# Altium PCB PCB_CAR.PcbDoc (part 1 of 3)
Units mil, origin at the board's own origin, x right, y up, seen from the top; angles counter-clockwise.
Board outline 3935 x 3900 mil, 4 copper layers (Top Layer, GND, PWR, Bottom Layer), stack 23.756 mil thick; 301 components, 202 nets, 1108 pads, 579 vias.
Unrouted connection lines stored in the file: 7.
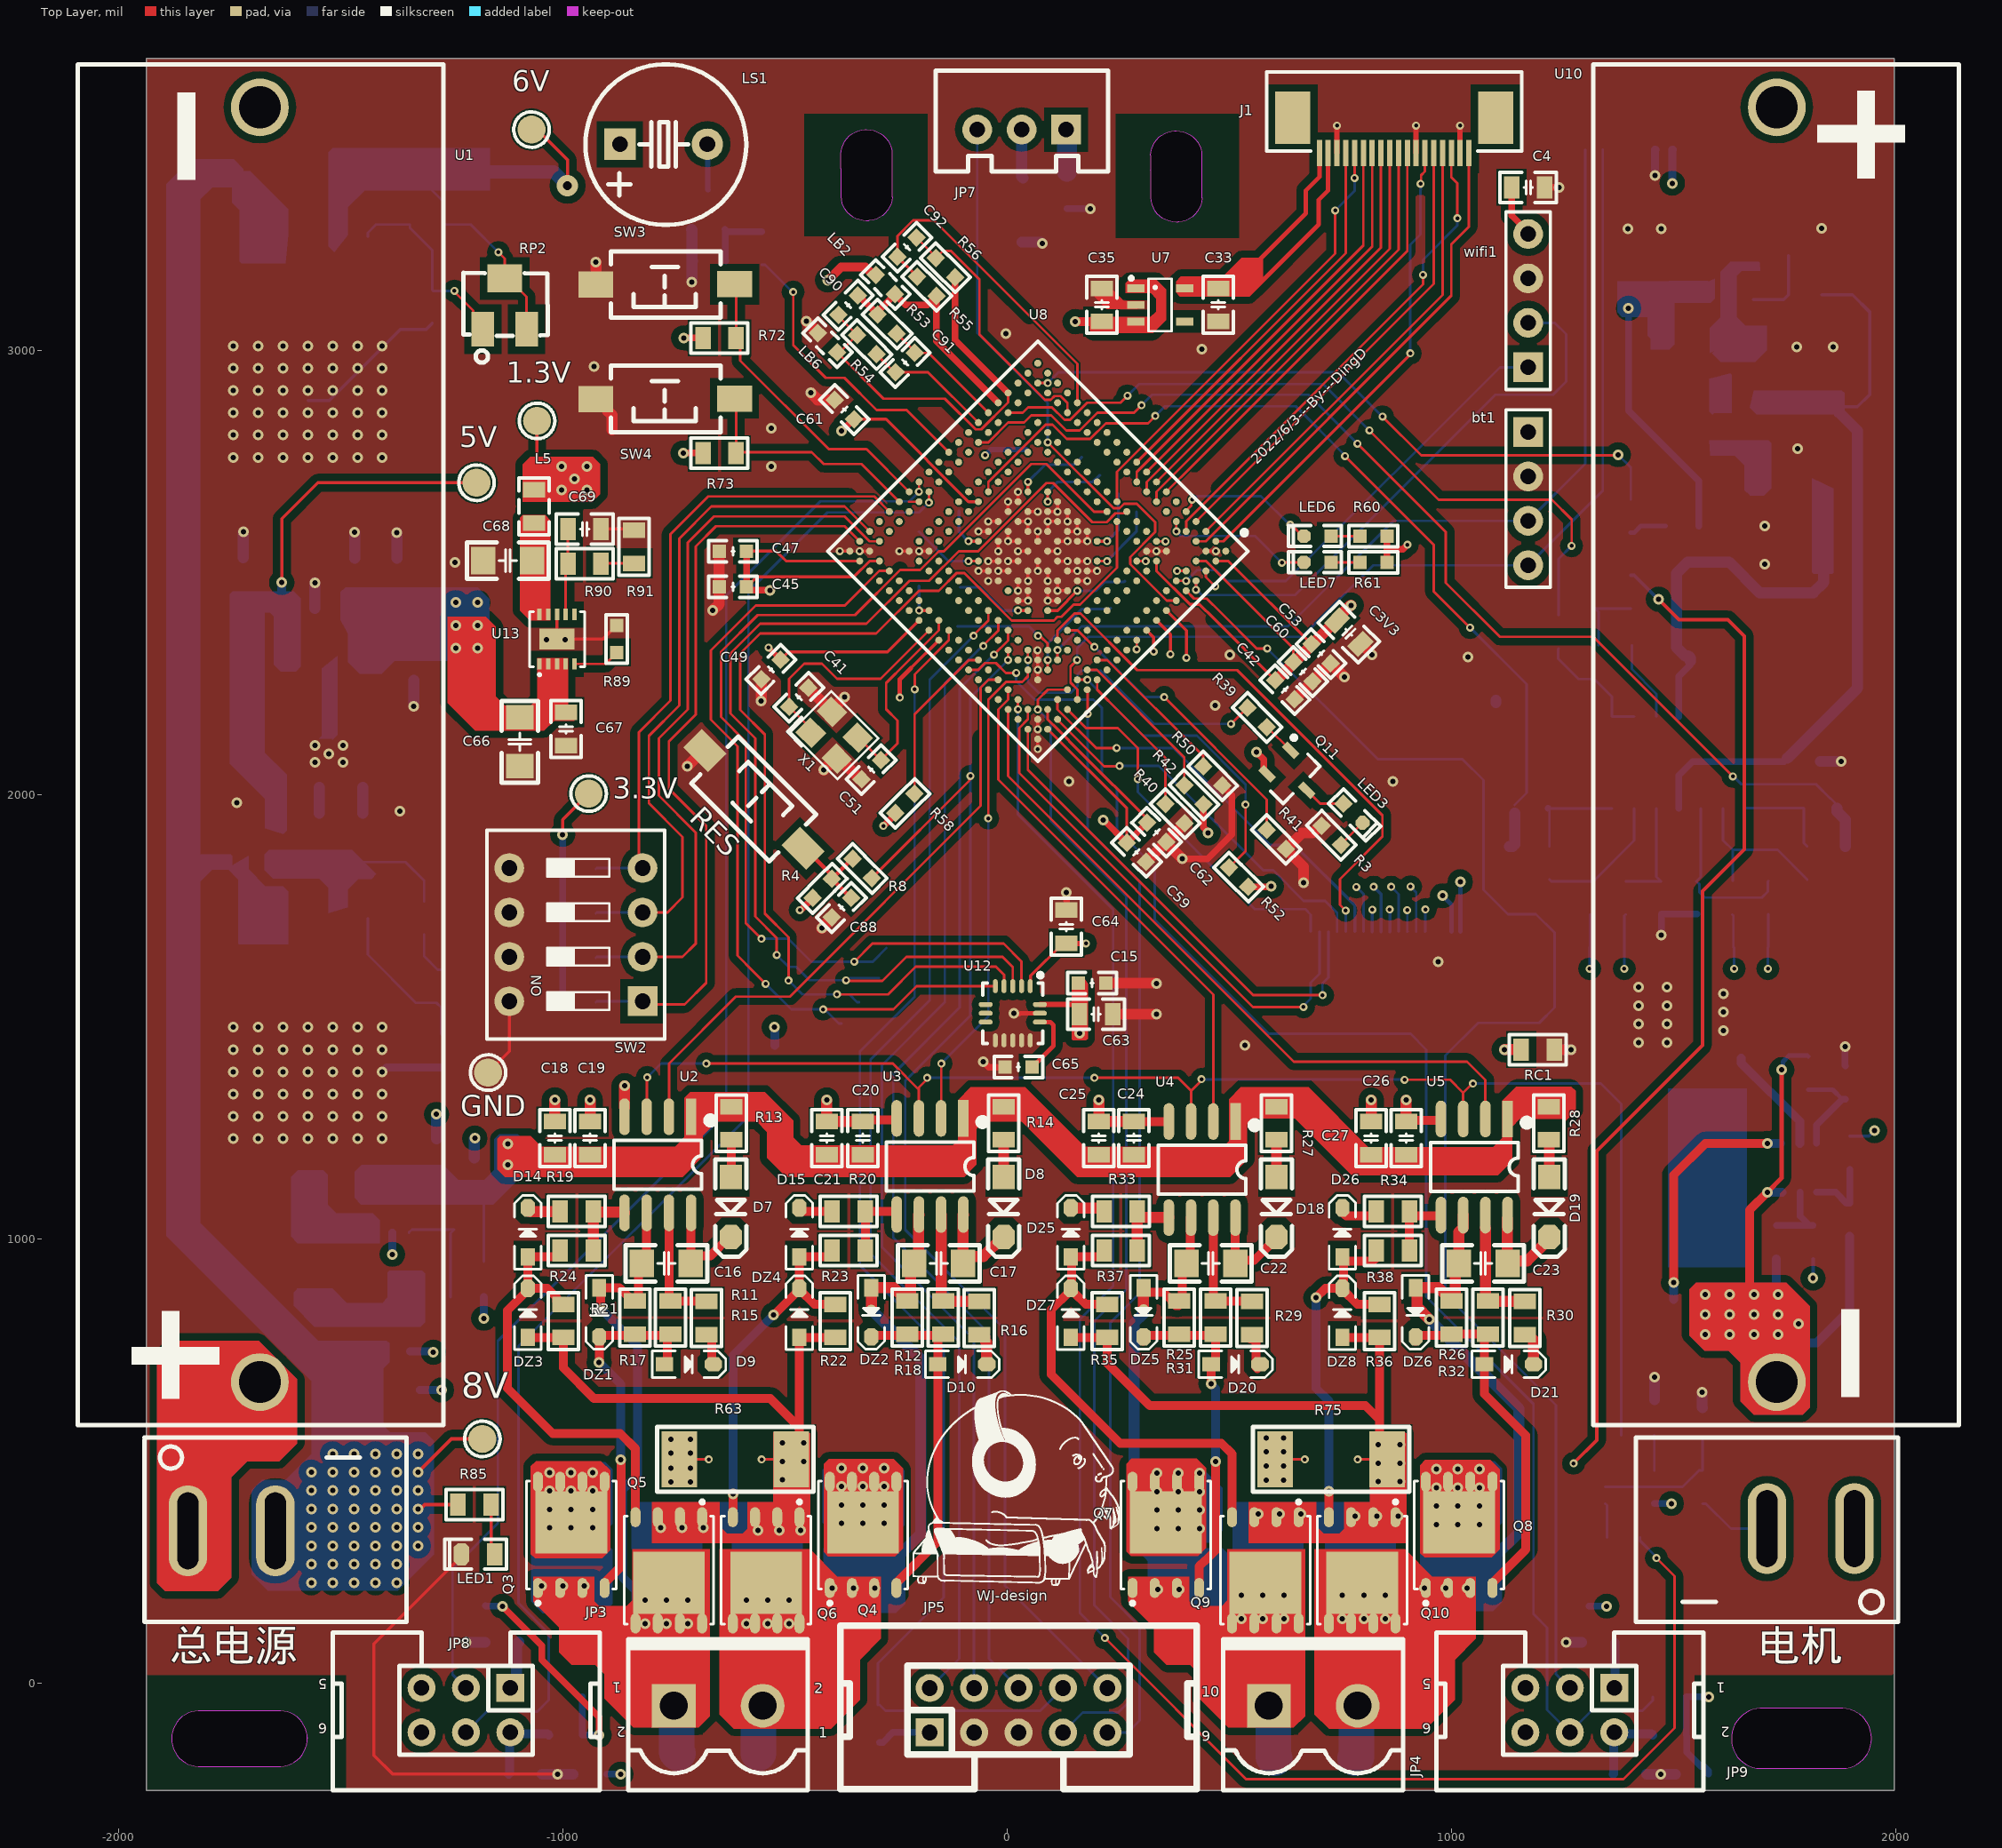
[diagram p0: Top Layer view]
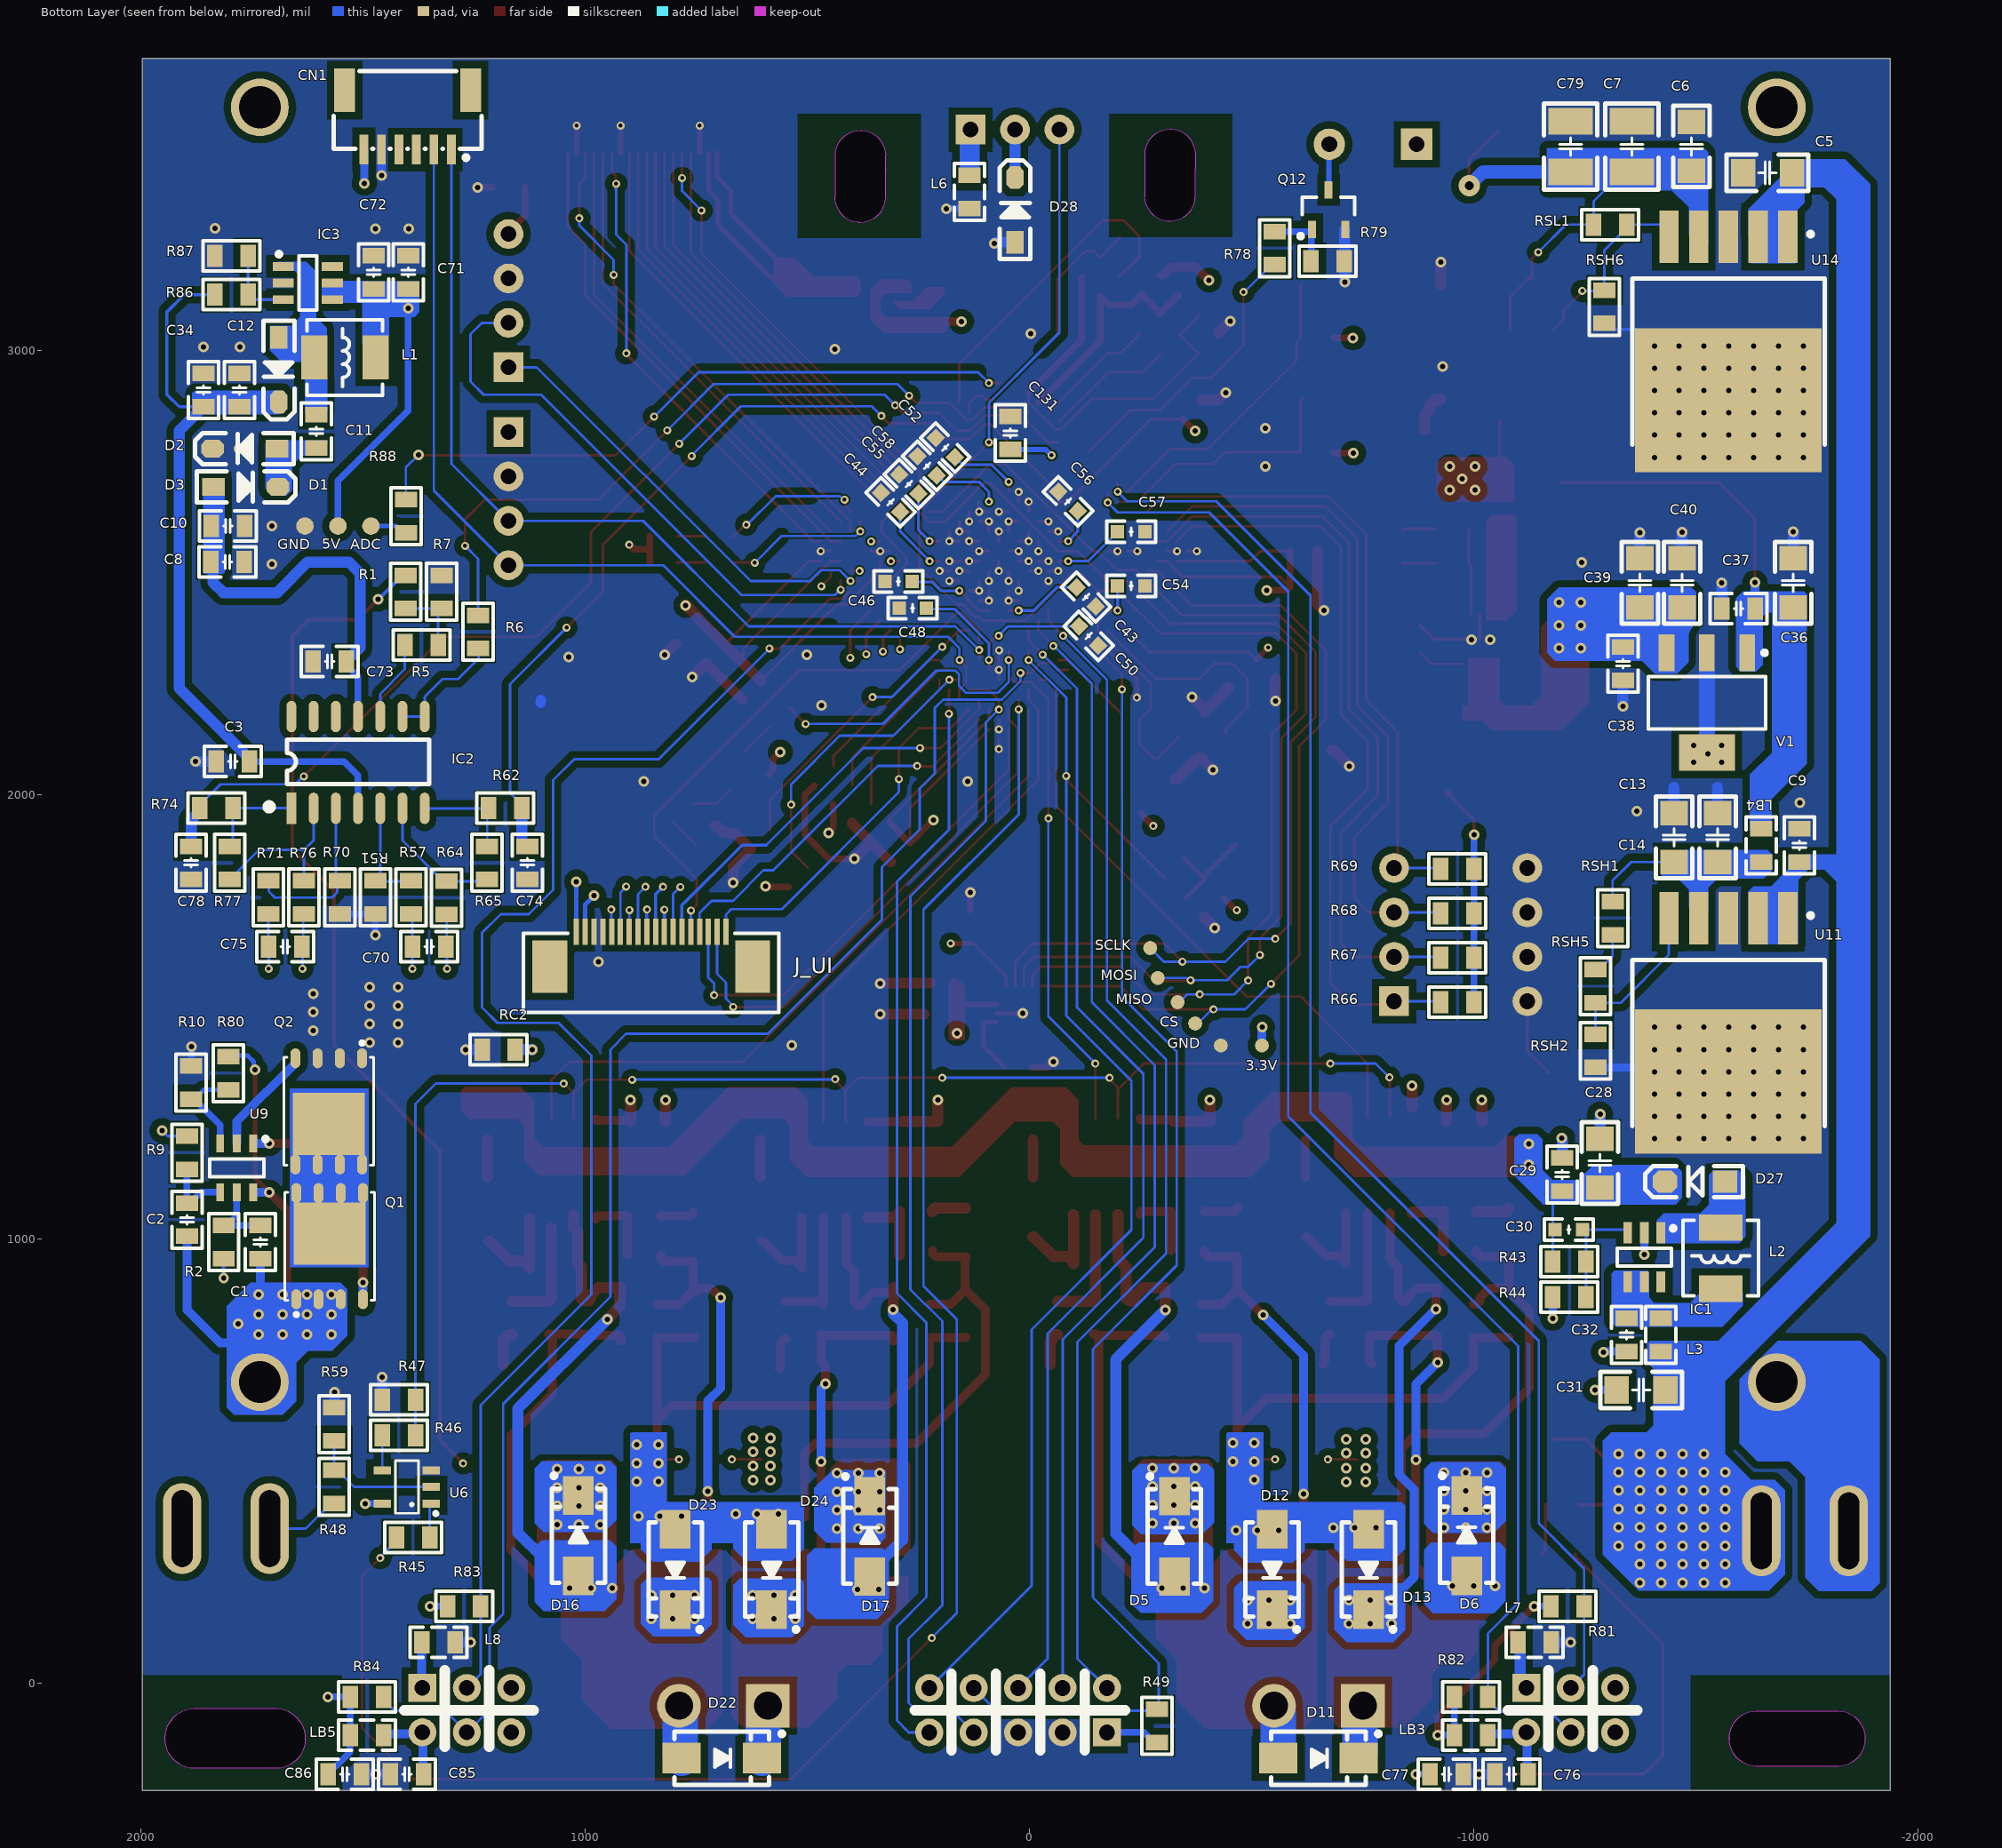
[diagram p1: Bottom Layer view, seen from below]
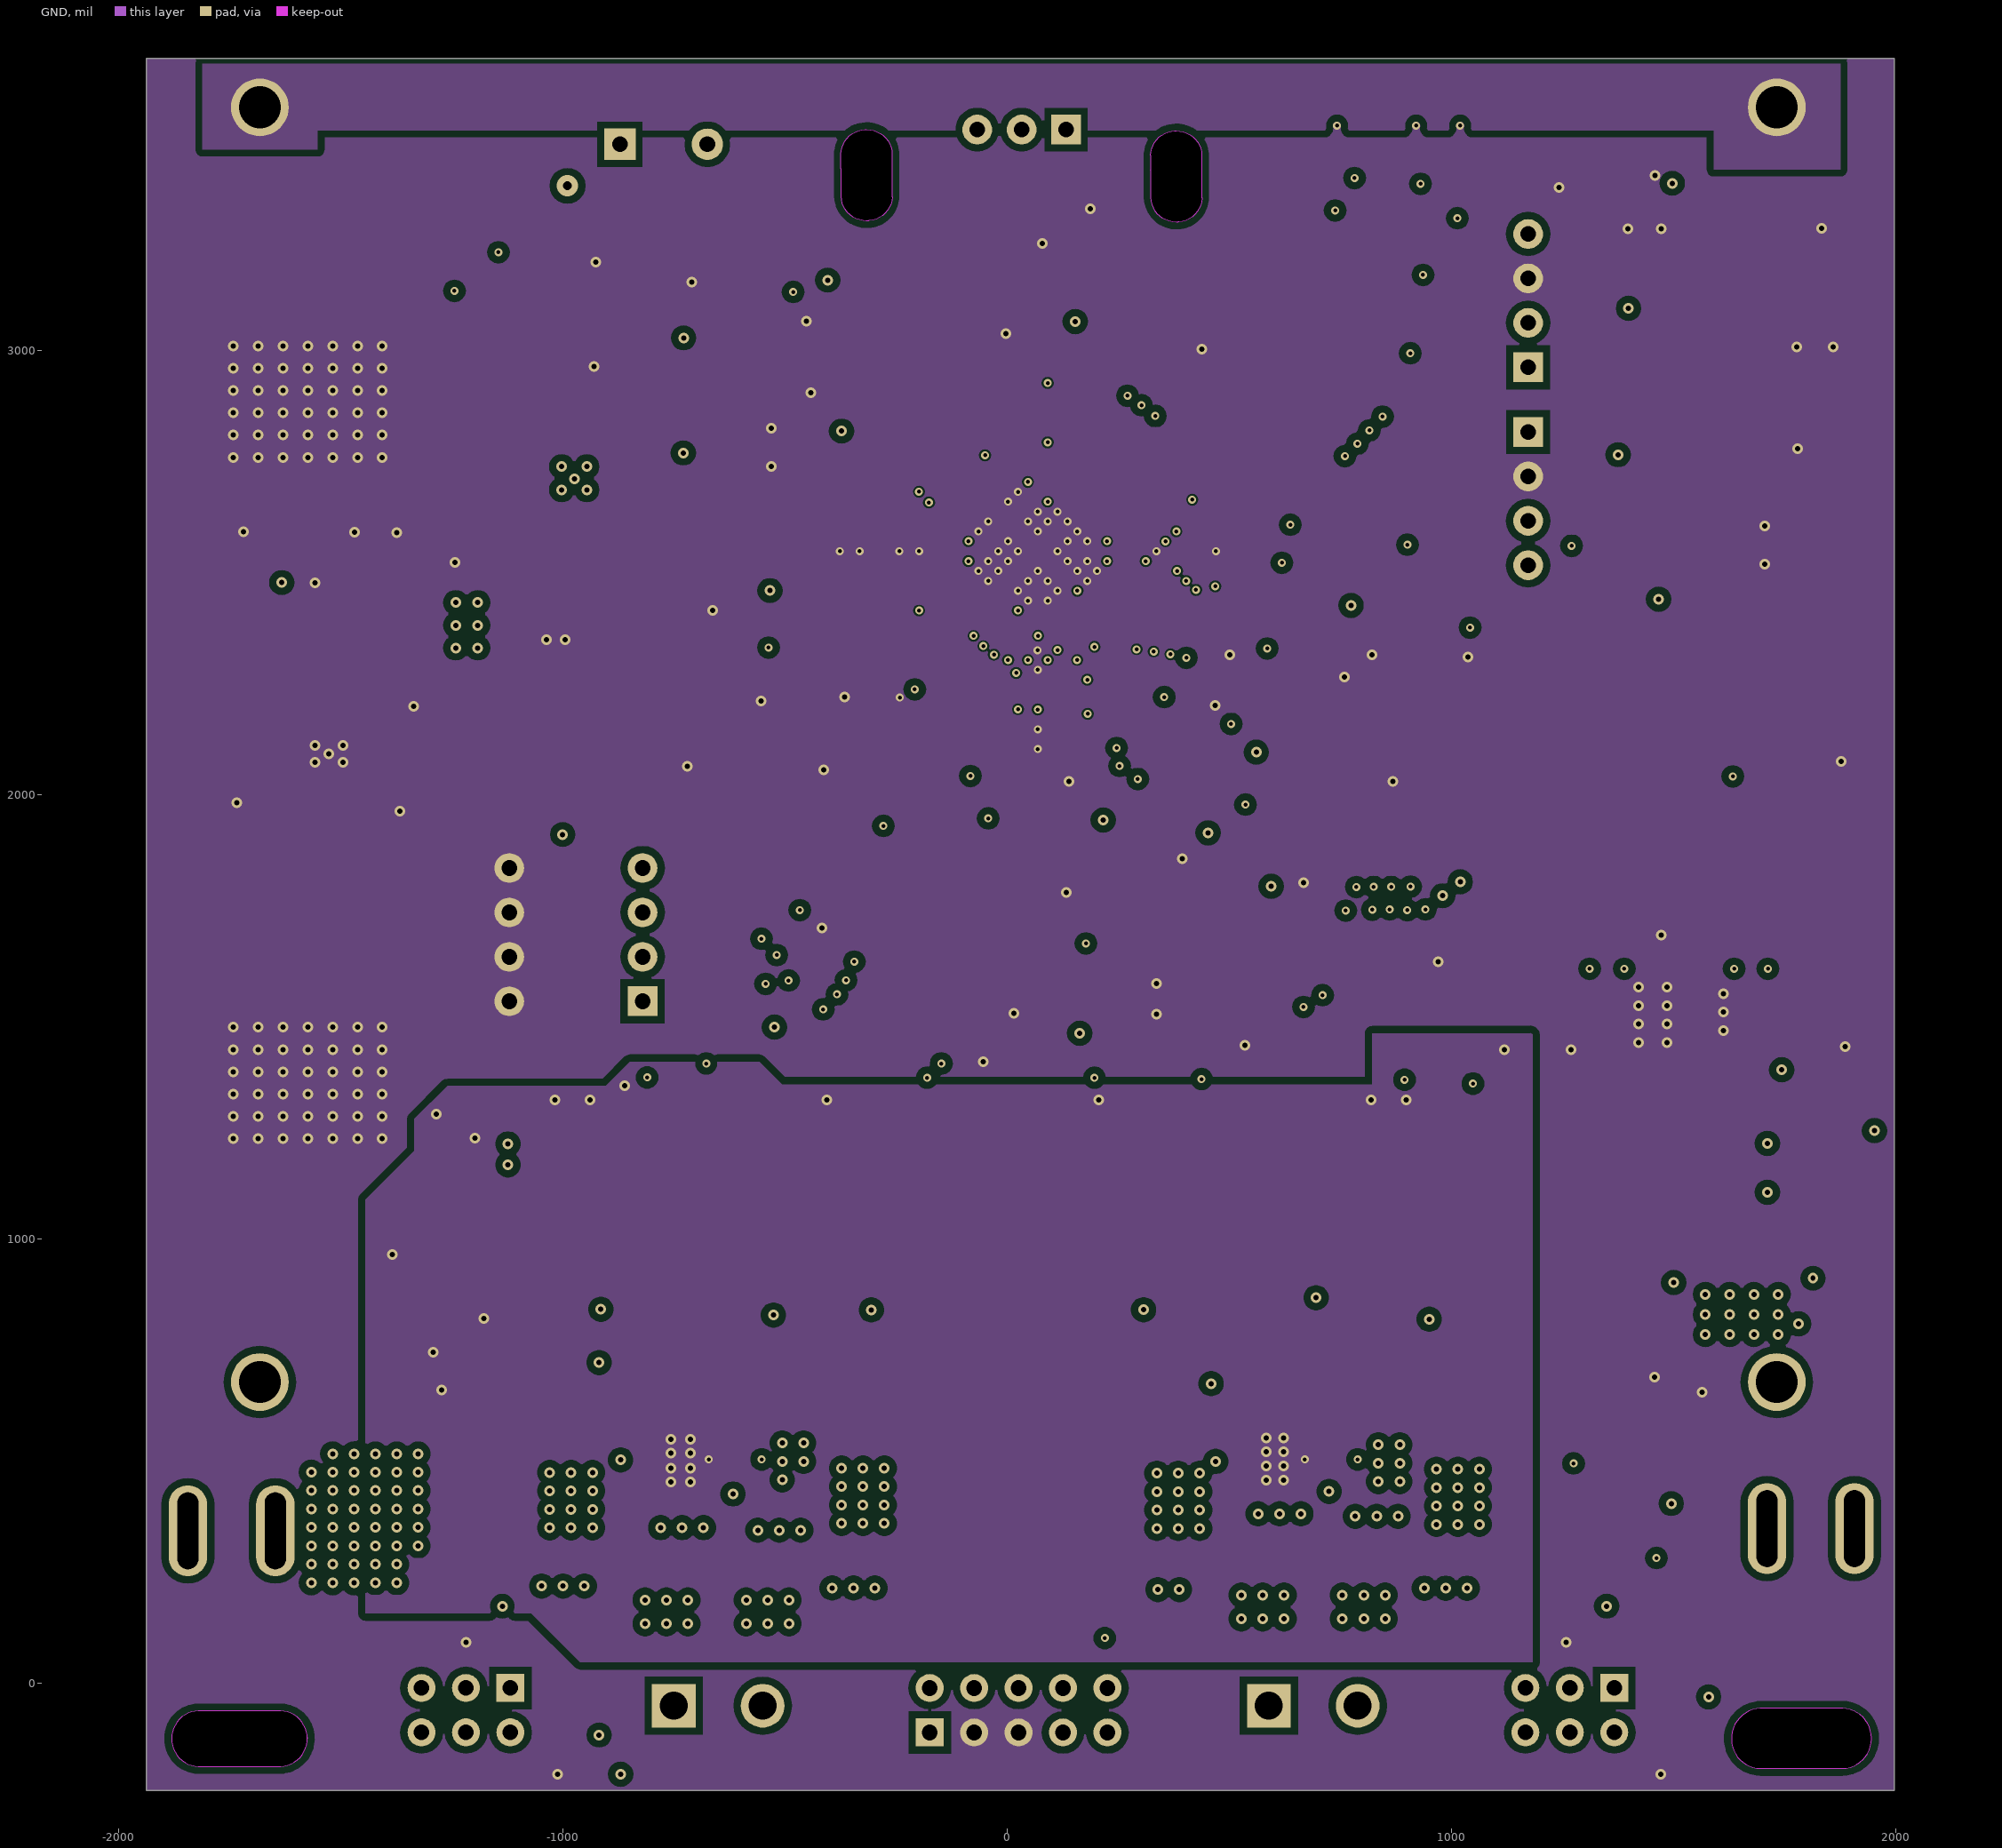
[diagram p2: GND]
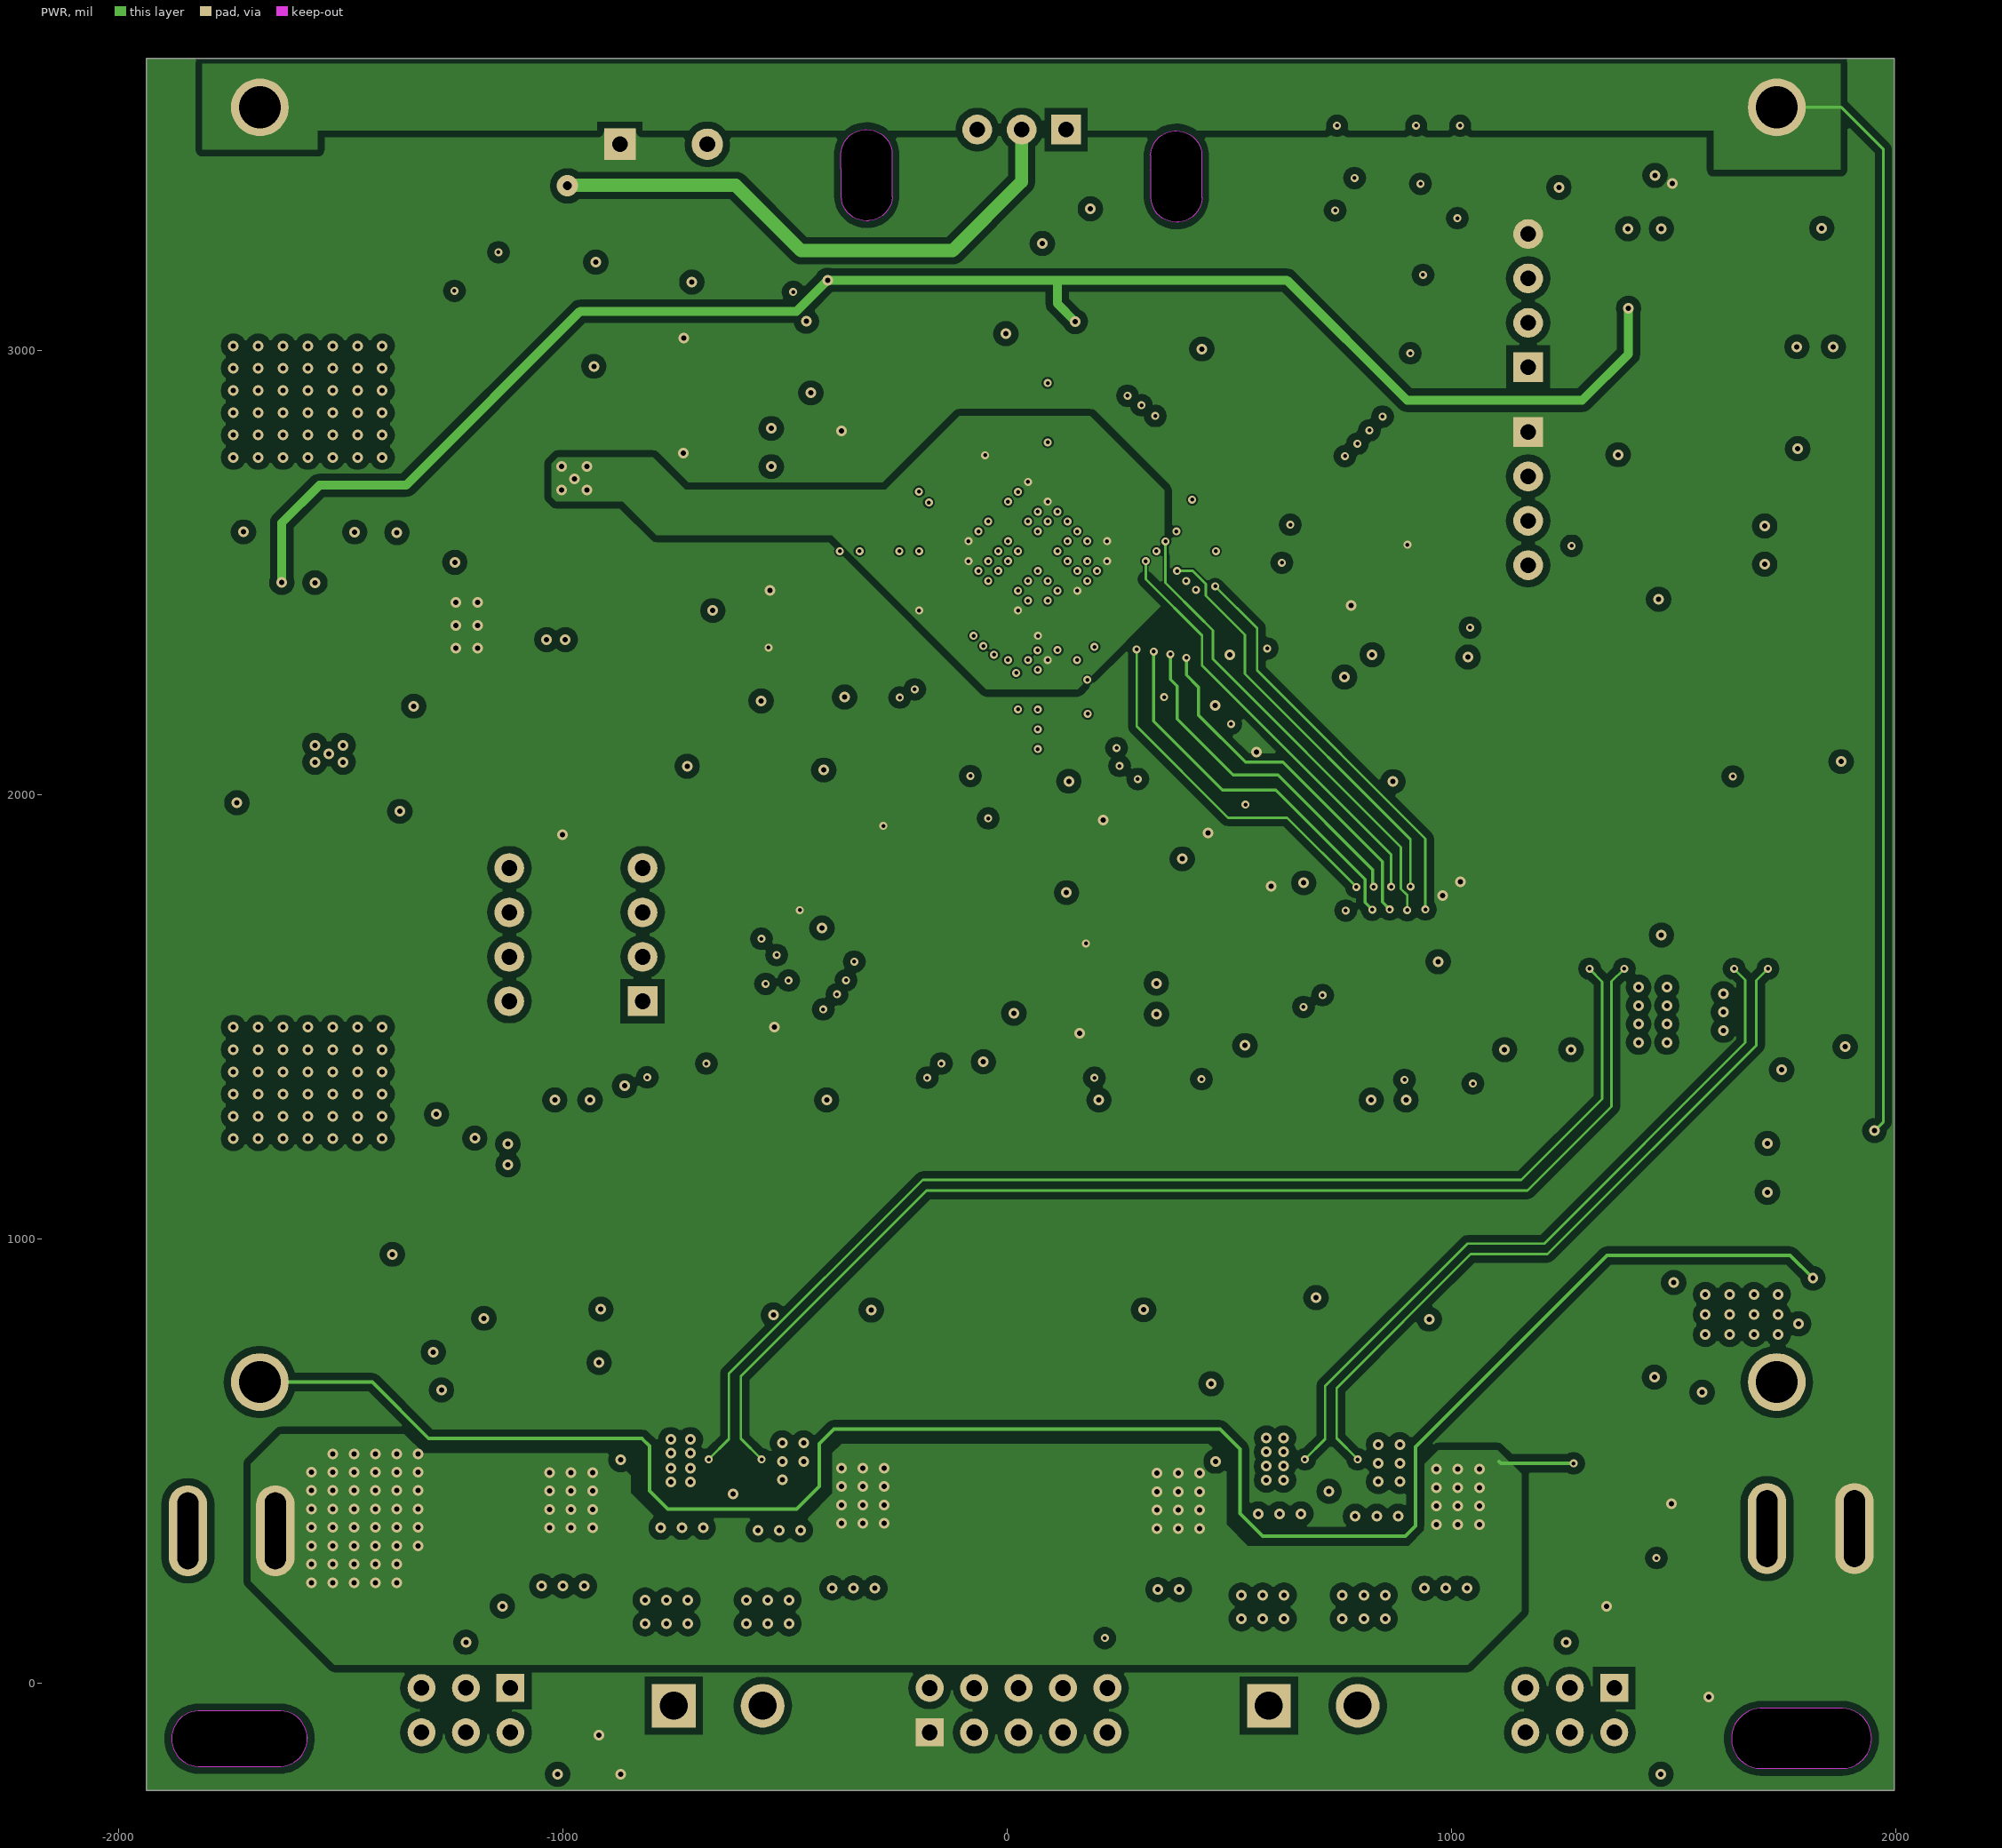
[diagram p3: PWR]

## Layer stack, top to bottom
Top Solder: solder mask 0.4, Solder Resist, Dk 3.5
Top Layer: signal copper 1.4
Dielectric 2: prepreg 2.8, PP-006, Dk 4.1
GND: signal copper 1.378
Dielectric 1: dielectric 12.6, FR-4, Dk 4.8
PWR: signal copper 1.378
Dielectric 3: prepreg 2.8, PP-006, Dk 4.1
Bottom Layer: signal copper 1.4
Bottom Solder: solder mask 0.4, Solder Resist, Dk 3.5

## Board outline
-1938.14,-241.82 1996.86,-241.82 1996.86,3658.18 -1938.14,3658.18
cut-out: 322.77,3344.62 322.77,3405.8 ccw(c317.76,3405.8) 322.49,3407.47 ccw(c317.58,3408.48) 322.6,3408.48 322.6,3438.58 ccw(c317.59,3438.59) 322.48,3439.63 ccw(c317.66,3439.95) 322.49,3439.85 cw(c378.73,3438.7) 376.49,3494.91 ccw(c377.37,3499.84) 377.69,3494.84 cw(c381.22,3438.88) 380.05,3494.94 ccw(c380.01,3498.51) 380.11,3494.94 cw(c381.23,3438.7) 437.47,3439.85 ccw(c442.47,3439.95) 437.58,3438.9 ccw(c442.56,3438.59) 437.57,3438.58 437.57,3344.7 ccw(c442.58,3344.7) 437.71,3343.49 cw(c381.51,3345.77) 386.06,3289.7 ccw(c385.69,3284.72) 385.25,3289.7 cw(c380.26,3346.96) 382.61,3289.53 cw(c381.51,3345.77) 380.36,3289.53 ccw(c380.26,3284.52) 379.58,3289.48 cw(c380.26,3347.02)
cut-out: -374.44,3347.57 -374.44,3408.75 ccw(c-379.46,3408.75) -374.73,3410.41 ccw(c-379.63,3411.43) -374.62,3411.43 -374.62,3441.53 ccw(c-379.63,3441.53) -374.73,3442.58 ccw(c-379.56,3442.89) -374.72,3442.8 cw(c-318.49,3441.65) -320.72,3497.85 ccw(c-319.85,3502.79) -319.53,3497.79 cw(c-316,3441.82) -317.17,3497.88 ccw(c-317.21,3501.45) -317.1,3497.89 cw(c-315.99,3441.65) -259.75,3442.8 ccw(c-254.74,3442.9) -259.64,3441.85 ccw(c-254.65,3441.53) -259.65,3441.53 -259.65,3347.64 ccw(c-254.64,3347.64) -259.51,3346.44 cw(c-315.71,3348.71) -311.15,3292.65 ccw(c-311.53,3287.67) -311.96,3292.64 cw(c-316.95,3349.91) -314.61,3292.48 cw(c-315.71,3348.71) -316.85,3292.48 ccw(c-316.96,3287.47) -317.63,3292.43 cw(c-316.96,3349.96)
cut-out: -1881.28,-124.96 ccw(c-1820.03,-126.21) -1821.28,-187.46 -1636.28,-187.46 ccw(c-1638.78,-124.96) -1576.28,-122.46 -1576.28,-124.96 ccw(c-1637.53,-123.71) -1636.28,-62.46 -1821.28,-62.46 ccw(c-1820.03,-123.71)
cut-out: 1629.99,-127.04 ccw(c1696.25,-125.64) 1694.9,-191.9 ccw(c1694.99,-187.28) 1695,-191.9 1879.97,-191.9 ccw(c1880,-186.89) 1880.1,-191.9 ccw(c1878.75,-125.64) 1945.03,-125.64 ccw(c1878.75,-125.64) 1945.02,-124.39 ccw(c1878.65,-123.14) 1945.03,-123.14 ccw(c1878.75,-123.14) 1880.1,-56.87 ccw(c1880.01,-61.5) 1880,-56.87 1695,-56.87 ccw(c1694.99,-61.64) 1694.8,-56.88 ccw(c1697.5,-124.39)

## Design rules (kind name [scope] priority, off if disabled: settings)
Clearance Clearance_BGA [WithinRoom('BGA')] p1: gap=4 ignorepadtopadclearanceinfootprint=FALSE
Clearance INPG [InPolygon] p2: gap=16 ignorepadtopadclearanceinfootprint=FALSE
Clearance [All] p3: gap=7 ignorepadtopadclearanceinfootprint=FALSE except(5: SMDPad-SMDPad)
ComponentClearance [All] p1: gap=1 collisioncheckmode=3 verticalgap=1 showdistances=FALSE
PlaneClearance [All] p1: clearance=10
PlaneConnect [All] p1: planeconnectstyle=Direct reliefexpansion=20 reliefentries=4 reliefconductorwidth=10 reliefairgap=10
PolygonConnect [All] p1: connectstyle=Direct reliefconductorwidth=10 reliefentries=4 polygonreliefangle="90 Angle" airgapwidth=10
RoomDefinition BGA [InComponentClass('Room Definition 1')] p1: confinementstyle=ConfineIn formatcopy=TRUE lockcomponents=FALSE outline 68.28,3097.34 616.93,2548.7 68.28,2000.05 -480.37,2548.7
RoutingVias RoutingVias_BGA [WithinRoom('BGA')] p1: holewidth=9 width=18 viastyle="Through Hole" minholewidth=9 minwidth=18 maxholewidth=9 maxwidth=18
RoutingVias [All] p2: holewidth=28 width=50 viastyle="Through Hole" minholewidth=12 minwidth=24 maxholewidth=250 maxwidth=400
SolderMaskExpansion [All] p1: expansion=4 istentingtop=FALSE
Width Width_BGA [WithinRoom('BGA')] p1: maxlimit=12 minlimit=5.7 preferedwidth=7
Width [All] p2: maxlimit=200 minlimit=5.7 preferedwidth=20
27 further rules are at their usual default settings.

## Classes and differential pairs
component class TC377TP_2: J_UI R58
component class TC377TP_1: 1.3V 3.3V C3V3 C41 C42 C43 C44 C45 C46 C47 C48 C49 C50 C51 C52 C53 C54 C55 C56 C57 C58 C59 C60 C61 C62 C88 C90 C91 C92 C131 GND JP5 LB2 LB6 LED3 LED6 LED7 Q11 R3 R4 R8 R39 R40 R41 R42 R49 R50 R52 R53 R54 R55 R56 R60 R61 RES U8 X1
component class OTHER: 3.3V 5V 6V 8V ADC bt1 C4 C5 C6 C7 C9 C13 C14 C15 C33 C35 C36 C37 C38 C39 C40 C63 C64 C65 C66 C67 C68 C69 C76 C77 C79 C85 C86 CN1 CS D28 GND J1 JP7 JP8 JP9 L5 L7 L8 LB3 LB4 LB5 LED1 LS1 MISO mm MOSI Q12 R66 R67 R68 R69 R72 R73 R78 R79 R81 R82 R83 R84 R85 R88 R89 R90 R91 RC1 RC2 RP2 RSH1 RSH2 RSH5 RSH6 RSL1 SCLK SW2 SW3 SW4 U7 U11 U12 U13 U14 V1 wifi1
component class MOTOR_DRV: C3 C16 C17 C18 C19 C20 C21 C22 C23 C24 C25 C26 C27 C28 C29 C30 C31 C32 C70 C73 C74 C75 C78 D5 D6 D7 D8 D9 D10 D11 D12 D13 D14 D15 D16 D17 D18 D19 D20 D21 D22 D23 D24 D25 D26 D27 DZ1 DZ2 DZ3 DZ4 DZ5 DZ6 DZ7 DZ8 IC1 IC2 JP3 JP4 L2 L3 Q3 Q4 Q5 Q6 Q7 Q8 Q9 Q10 R11 R12 R13 R14 R15 R16 R17 R18 R19 R20 R21 R22 R23 R24 R25 R26 R27 R28 R29 R30 R31 R32 R33 R34 R35 R36 R37 R38 R43 R44 R45 R46 R47 R48 R51 R57 R59 R62 R63 R64 R65 R70 R71 R74 R75 R76 R77 U2 U3 U4 U5 U6 电机
component class BAT: C1 C2 C8 C10 C11 C12 C34 C71 C72 D1 D2 D3 IC3 L1 Q1 Q2 R1 R2 R5 R6 R7 R9 R10 R80 R86 R87 U1 U9 U10 总电源

## Components (designator, comment, footprint, x,y, rotation, side; value= is the part's Value field where it differs from the comment)
1.3V "TEST" "TEST 1.6" -1059,2842 r0 top
3.3V "TEST" "TEST 0.8" -523.74,1435.77 r90 bottom (schematic designator 9)
3.3V "TEST" "TEST 1.6" -942.71,2002.82 r0 top
5V "TEST" "TEST 1" 1556.21,2605.38 r90 bottom (schematic designator 7)
5V "TEST" "TEST 1.6" -1195.34,2702.9 r0 top
6V "TEST" "TEST 1.6" -1071.4,3498 r0 top (schematic designator 6-7.4V)
8V "TEST" "TEST 1.6" -1182.16,549.87 r0 top